# Altium PCB 4.PcbDoc (continued)
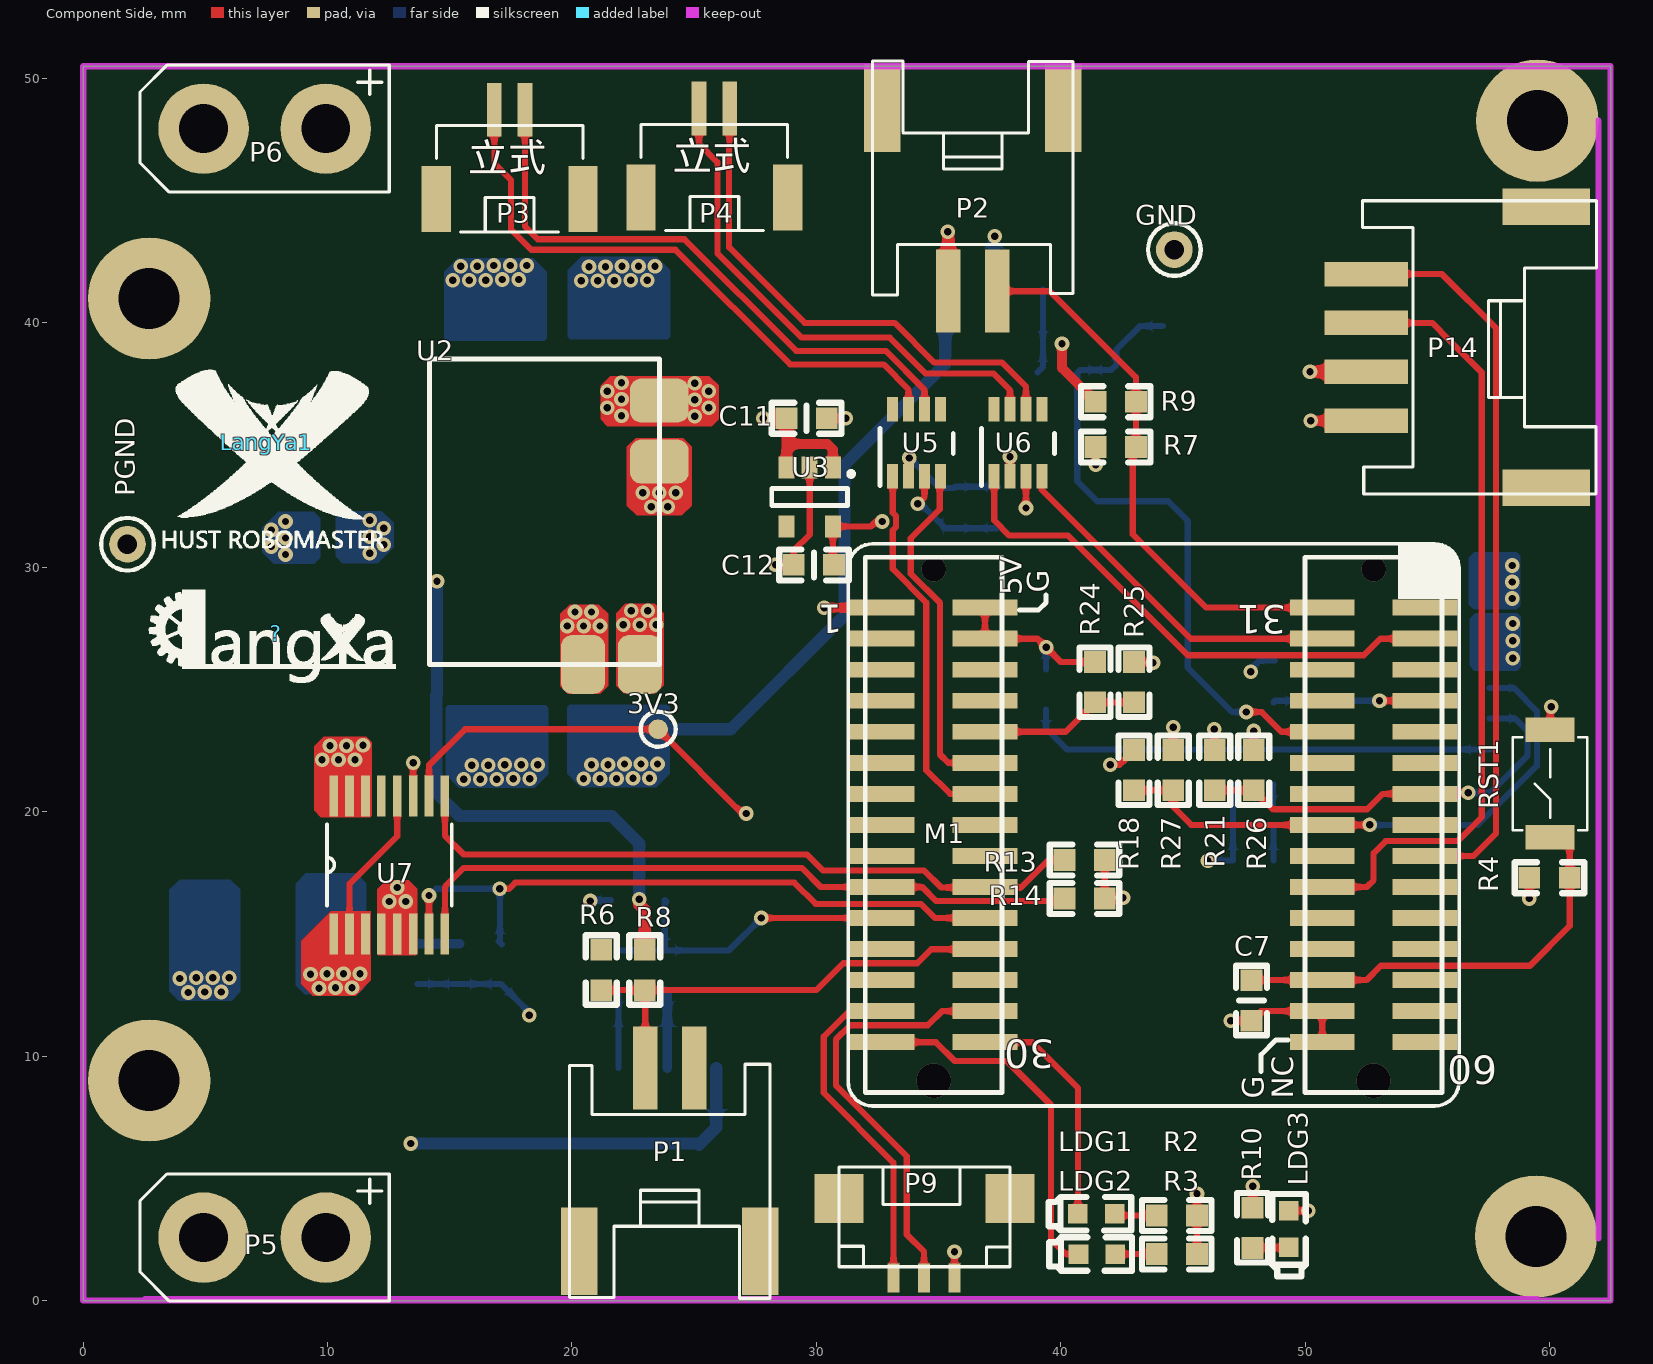
[diagram p0: Component Side view]
## Design rules (kind name [scope] priority, off if disabled: settings)
Clearance [All] p1: gap=0.127 ignorepadtopadclearanceinfootprint=FALSE
MinimumSolderMaskSliver [All] p1: minsoldermaskwidth=0.001
PlaneClearance [All] p1: clearance=0.508
PlaneConnect [All] p1: planeconnectstyle=Direct reliefexpansion=0.508 reliefentries=4 reliefconductorwidth=0.254 reliefairgap=0.254
PolygonConnect [All] p1: thpad.connectstyle=Direct thpad.reliefconductorwidth=0.254 thpad.reliefentries=4 thpad.polygonreliefangle="90 Angle" thpad.airgapwidth=0.254 smdpad.connectstyle=Relief smdpad.reliefconductorwidth=0.254 smdpad.reliefentries=4 smdpad.polygonreliefangle="90 Angle" smdpad.airgapwidth=0.254 via.connectstyle=Direct via.reliefconductorwidth=0.254 via.reliefentries=4 via.polygonreliefangle="90 Angle" via.airgapwidth=0.254
RoomDefinition PowerDetection [InComponentClass('PowerDetection')] p1: confinementstyle=ConfineIn formatcopy=TRUE lockcomponents=FALSE outline -25,-25 70,-25 70,70 -25,70
RoutingVias [All] p1: holewidth=0.3 width=0.6 viastyle="Through Hole" minholewidth=0.2 minwidth=0.5 maxholewidth=7 maxwidth=10
SilkToSilkClearance [All] p1: silktosilkclearance=0.001
SilkToSolderMaskClearance [IsPad] p1: minsilkscreentomaskgap=0.001 clearancetoexposedcopper=TRUE
SolderMaskExpansion [All] p1: expansion=0.102
Width [All] p1: maxlimit=10 minlimit=0.1 preferedwidth=0.254
25 further rules are at their usual default settings.

## Components (designator, comment, footprint, x,y, rotation, side; value= is the part's Value field where it differs from the comment)
3V3 "3V3" TP_SMT 23.525,23.375 r90 top
? "Logo" "logo_langya - duplicate" 7.9,27.3 r0 top
C7 "100nF" 0603C 47.8,12.275 r270 top value=100pF
C11 "1uF" 0603C 29.6,36.1 r180 top value=100nF
C12 "4.7uF" 0603C 29.9,30.1 r0 top value=100nF
C13 "1uF/0603/50V" 0603C 37.425,32.476 r90 bottom value=100pF
C14 "1uF/0603/50V" 0603C 35.625,32.426 r90 bottom value=100pF
C15 "100nF" 0603C 13.675,13.775 r270 bottom value=10uF
C16 "" 0603C 15.4,13.775 r270 bottom value=100nF
C17 "10nF" 0603C 39.4,25 r270 bottom value=100pF
C18 "10nF" 0603C 47.875,18 r0 bottom value=100pF
C19 "10nF" 0603C 47.875,21.1 r0 bottom value=100pF
D1 "SMBJ24A" SMB/DO-214AA 7.413,15.275 r0 bottom
D2 "TVS_SOD" SOD-323- 22.7,16.375 r180 bottom
D3 "TVS_SOD" SOD-323- 43.175,38.075 r0 bottom
GND "PGND" TP_VIA 44.65,43 r0 top
L1 "10mH/0402" 0603L 9.95,31.3 r0 bottom value=10mH
LangYa1 "RM_logo" "RM_logo 300mil*350" 7.5,35.1 r0 top
LDG1 "LED_RED" 0603LED_G 42.2,3.55 r180 top
LDG2 "LED_RED" 0603LED_G 42.225,1.9 r180 top
LDG3 "LED_RED" 0603LED_G 49.338,3.674 r270 top
M1 "STM32_LQFP64核心板" STM32_LQFP64核心板 43.8,19.46 r90 top
P1 "Header 2" "HY2.00MM 2X1 SMT" 24,8.65 r0 top
P2 "Header 2" "HY2.00MM 2X1 SMT" 36.4,42.165 r180 top
P3 "A1.25W-2F" GH1.25_立式 17.45,43.725 r0 top
P4 "A1.25W-2F" GH1.25_立式 25.825,43.775 r0 top
P5 "XT30/60/90" XT30立式 7.425,2.575 r0 top
P6 "XT30/60/90" XT30立式 7.425,47.95 r0 top
P7 "A1.25W-2F" GH1.25_立式 25.85,50.65 r0 bottom
P8 "A1.25W-2F" GH1.25_立式 17.475,50.6 r0 bottom
P9 "裁判系统/GH1.25-3p立式" A1254-03AWB 34.425,0.949 r0 top
P10 "Header 3" "HY2.00MM 3X1 SMT" 23.9,8.65 r180 bottom
P11 "Header 3" "HY2.00MM 3X1 SMT" 37.275,42.225 r0 bottom
P12 "Header 7" A1.25WF-7P 57.55,26.315 r270 bottom
P14 "USART/UART" "HY2.00MM 4X1 SMT" 53.365,39 r90 top
PGND "PGND" TP_VIA 1.812,30.947 r90 top
R1 "10k" 0603R 48.765,25.365 r90 bottom value=1K
R2 "560" 0603R 44.75,3.475 r0 top value=1K
R3 "560" 0603R 44.75,1.9 r0 top value=1K
R4 "10k" 0603R 60,17.3 r180 top value=1K
R6 "1K/5%" 0603R 21.2,13.525 r270 top value=1K
R7 "1K/5%" 0603R 42.25,34.925 r0 top value=1K
R8 "1K/5%" 0603R 22.975,13.525 r90 top value=1K
R9 "1K/5%" 0603R 42.25,36.775 r180 top value=1K
R10 "560" 0603R 47.85,2.975 r270 top value=1K
R13 "10k" 0603R 40.975,18.025 r180 top value=1K
R14 "10k" 0603R 40.975,16.45 r180 top value=1K
R15 "10k" 0603R 17.125,13.75 r90 bottom value=1K
R18 "18k" 0603R 43,21.7 r90 top value=1K
R19 "62k" 0603R 21.9,13.5 r270 bottom value=1K
R20 "62k" 0603R 39.874,37.975 r180 bottom value=1K
R21 "18k" 0603R 46.3,21.7 r270 top value=1K
R22 "10k" 0603R 23.8,13.5 r90 bottom value=1K
R23 "10k" 0603R 44.175,40.7 r270 bottom value=1K
R24 "18k" 0603R 41.4,25.3 r270 top value=1K
R25 "1K/5%" 0603R 43,25.3 r90 top value=1K
R26 "1K/5%" 0603R 47.9,21.7 r90 top value=1K
R27 "1K/5%" 0603R 44.6,21.7 r90 top value=1K
RST1 "KEY" "SW 3mmx4mm" 60.025,21.15 r90 top
U2 "MP2451_PowerModule" MP2451_PowerModule 23.575,38.525 r180 top
U3 "SPX5205M5-3.3V" "SOT-23-5 L" 30.665,34.049 r270 top
U4 "MP2482_Module" MP2482_PowerModule 19.65,31.925 r90 bottom
U5 "TCAN330" SOT-23-8 34.1,35.1 r90 top
U6 "TCAN330" SOT-23-8 38.25,35.1 r90 top
U7 "INA260" TSSOP-16 12.525,17.825 r90 top

## Footprints (in the part's own frame and the unit in brackets; to place one, negate y for a bottom-side part, rotate by r counter-clockwise, add the part's x,y. Pads: shape width x height; smd on the part's side, far side on the other; paste and mask are expansions set on the pad)
0603C [mil] "Chip Resistor, 2-Leads, Body 1.6x0.8mm, IPC Medium Density"
  rect 35x35 smd: 1(-32.5,0) 2(32.5,0)
  silkscreen extent -56,-25 56,25, body extent -31,-16 31,15, height 18
0603L [mil] "Chip Resistor, 2-Leads, Body 1.6x0.8mm, IPC Medium Density"
  rect 35x35 smd: 1(-32.5,0) 2(32.5,0)
  silkscreen extent -56,-25 56,25, body extent -31,-16 32,16, height 31
0603LED_G [mm]
  rect 0.8x0.8 smd: 1(0,0) 2(1.5,0)
  silkscreen extent -0.69,-0.69 2.69,0.69, body extent -0.04,-0.4 1.56,0.4, height 0.6
0603R [mil] "10mil˿ӡ"
  rect 35x35 smd: 1(-32.5,0) 2(32.5,0)
  silkscreen extent -56,-25 56,25, body extent -33,-16 33,16, height 22
A1.25WF-7P [mm]
  rect 2.1x3 smd: 0(-6.703,-2.9) 0(6.703,-2.9)
  round 1 on Bottom Overlay: 0(-5.128,-0.03)
  rect 0.8x1.6 smd: 1(-3.75,0) 2(-2.5,0) 3(-1.25,0) 4(0,0) 5(1.25,0) 6(2.5,0) 7(3.765,0)
  body extent -6.87,-6.17 6.83,0.53, height 2.5
A1254-03AWB [mm] "1.25mm，额定电流1A，额定电压50V，接触电阻20mOhm"
  rect 2x2 smd: 0(-3.5,3.226) 0(3.5,3.226)
  rect 0.5x1.2 smd: 1(-1.27,-0.025) 2(-0.02,-0.025) 3(1.23,-0.025)
  silkscreen extent -3.51,0.43 3.51,4.52, body extent -3.55,-0.34 3.45,4.46, height 4.5
GH1.25_立式 [mm]
  rect 1.2x2.7 smd: 0(-3,1.35) 0(3,1.35)
  rect 0.6x2.2 smd: 1(0.625,5) 2(-0.625,5)
  silkscreen extent -3,0 3,4.35, body extent -2.87,-0.06 2.88,5.04, height 4.13
"HY2.00MM 2X1 SMT" [mm]
  rect 1.5x3.6 smd: 0(-3.7,-6.635) 0(3.7,-6.635)
  round 0.7 on Top Overlay: 0(-2.685,0.391)
  rect 1x3.4 smd: 1(-1,0.865) 2(1,0.865)
  silkscreen extent -4.1,-8.56 4.1,1.02, body extent -3.97,-8.55 4.03,2.14, height 5.1
"HY2.00MM 3X1 SMT" [mm]
  rect 1.5x3.6 smd: 0(-4.75,-6.5) 0(4.75,-6.5)
  round 0.7 on Bottom Overlay: 0(-3.26,0.391)
  rect 1x3.4 smd: 1(-2,0.865) 2(0,0.865) 3(2,0.865)
  silkscreen extent -5,-8.56 5,1.02, body extent -5.02,-8.53 4.98,2.17, height 5.1
"HY2.00MM 4X1 SMT" [mm]
  rect 1.5x3.6 smd: 0(-5.75,-6.5) 0(5.75,-6.5)
  round 0.7 on Top Overlay: 0(-4.41,0.391)
  rect 1x3.4 smd: 1(-3,0.865) 2(-1,0.865) 3(1,0.865) 4(3,0.865)
  silkscreen extent -6,-8.56 6,1.02, body extent -6,-8.5 6,2.19, height 5.1
"logo_langya - duplicate" [mm]
  silkscreen extent -5.22,-2 4.88,1.78
MP2451_PowerModule [mm]
  rrect50% 1.8x2.4 smd: 1(3.125,12.5) 3(0.8,12.5)
  rrect50% 2.4x1.8 smd: 2(0,1.7) 3(0,4.2)
  silkscreen extent 0,0 9.4,12.5, body extent 0,0 9.4,12.5, height 2.55
MP2482_PowerModule [mm]
  rect 2x4 smd: 1(-8.55,2.236) 2(8.348,-2.768) 3(-8.55,-2.742) 3(8.399,2.262)
  silkscreen extent -9,-8 9,8, body extent -9,-8 9,8, height 3.15
"RM_logo 300mil*350" [mm] "300mil*350mil"
  silkscreen extent -4.24,-4.3 4.8,2.99
SMB/DO-214AA [mm]
  rect 2x3 smd: 1(-2.413,0) 2(2.413,0)
  silkscreen extent -3.5,-2 3.7,2, body extent -2.68,-2.13 2.91,1.81, height 2.44
SOD-323- [mm] "开关二极管2.60mmx1.20mm"
  rect 0.8x0.8 smd: 1(1.1,0) 2(-1.1,0)
  silkscreen extent -0.75,-0.63 0.75,0.62, body extent -1.3,-0.6 1.3,0.75, height 1.1
"SOT-23-5 L" [mm]
  rect 0.9x0.65 smd: 1(-0.026,0.01) 2(-0.026,-0.94) 3(-0.026,-1.89) 4(2.374,-1.89) 5(2.374,0.01)
  silkscreen extent 0.13,-2.49 1.52,0.86, body extent -0.2,-2.4 2.6,0.5, height 1.09
SOT-23-8 [mm]
  rect 1x0.45 smd paste+0 mask+0.051: 1(-1.375,0.975) 2(-1.375,0.325) 3(-1.375,-0.325) 4(-1.375,-0.975) 5(1.375,-0.975) 6(1.375,-0.325) 7(1.375,0.325) 8(1.375,0.975)
  silkscreen extent -1.75,-1.5 0.58,1.5, body extent -1.4,-1.47 1.4,1.47, height 1.2
STM32_LQFP64核心板 [mm]
  rect 0.65x2.65 smd: 1(8.89,11.1) 2(8.89,6.9) 3(7.62,11.1) 4(7.62,6.9) 5(6.35,11.1) 6(6.35,6.9) 7(5.08,11.1) 8(5.08,6.9) 9(3.81,11.1) 10(3.81,6.9) 11(2.54,11.1) 12(2.54,6.9) 13(1.27,11.1) 14(1.27,6.9) 15(0,11.1) 16(0,6.9) 17(-1.27,11.1) 18(-1.27,6.9) 19(-2.54,11.1) 20(-2.54,6.9) 21(-3.81,11.1) 22(-3.81,6.9) 23(-5.08,11.1) 24(-5.08,6.9) 25(-6.35,11.1) 26(-6.35,6.9) 27(-7.62,11.1) 28(-7.62,6.9) 29(-8.89,11.1) 30(-8.89,6.9) 31(8.89,-6.9) 32(8.89,-11.1) 33(7.62,-6.9) 34(7.62,-11.1) 35(6.35,-6.9) 36(6.35,-11.1) 37(5.08,-6.9) 38(5.08,-11.1) 39(3.81,-6.9) 40(3.81,-11.1) 41(2.54,-6.9) 42(2.54,-11.1) 43(1.27,-6.9) 44(1.27,-11.1) 45(0,-6.9) 46(0,-11.1) 47(-1.27,-6.9) 48(-1.27,-11.1) 49(-2.54,-6.9) 50(-2.54,-11.1) 51(-3.81,-6.9) 52(-3.81,-11.1) 53(-5.08,-6.9) 54(-5.08,-11.1) 55(-6.35,-6.9) 56(-6.35,-11.1) 57(-7.62,-6.9) 58(-7.62,-11.1) 59(-8.89,-6.9) 60(-8.89,-11.1)
  silkscreen extent -11.5,-12.5 11.5,12.5, body extent -11.5,-12.5 11.5,12.5, height 10.9
"SW 3mmx4mm" [mm] "小龟按键"
  rect 1x2 smd: 1(-2.2,0) 2(2.2,0)
  silkscreen extent -1.91,-1.52 1.91,1.52, body extent -2.3,-1.5 2.3,1.5, height 2.1
TP_SMT [mm]
  round 0.8 smd: 1(0,0)
  silkscreen extent -0.72,-0.72 0.72,0.72
TP_VIA [mm]
  round 1.5 hole 0.8: 1(0,0)
  silkscreen extent -1.08,-1.07 1.08,1.07
TSSOP-16 [mil]
  rect 66x14 smd: 1(-111,89.57) 2(-111,63.98) 3(-111,38.39) 4(-111,12.79) 5(-111,-12.8) 6(-111,-38.39) 7(-111,-63.98) 8(-111,-89.57) 9(111,-89.57) 10(111,-63.98) 11(111,-38.39) 12(111,-12.8) 13(111,12.79) 14(111,38.39) 15(111,63.98) 16(111,89.57)
  silkscreen extent -66,-100 66,101, body extent -125,-98 127,98, height 44
XT30立式 [mm]
  round 3.7 hole 2: 1(2.5,0) 2(-2.5,0)
  silkscreen extent -5.1,-2.6 5.1,2.6, body extent -4.95,-2.49 5.05,2.51, height 10

## Part data
3V3 GND PGND: library part TP
C7 C13 C14 C15 C16 C17 C18 C19: library part Cap, "Capacitor", LatestRevisionDate=17-Jul-2002, LatestRevisionNote="Re-released for DXP Platform.", PackageDescription="Radial Cap, Thru-Hole; 2 Leads; 0.3 in Pin Spacing", PackageReference=RAD-0.3, Published=8-Jun-2000, Publisher="Altium Limited"
C11 C12: library part Cap
D1: library part "D Zener", "Zener Diode", LatestRevisionDate=17-Jul-2002, LatestRevisionNote="Re-released for DXP Platform.", PackageDescription="Diode, Thru-Hole; 2 Leads; 0.7 in Pin Spacing", PackageReference=DIODE-0.7, Published=8-Jun-2000, Publisher="Altium Limited"
L1: library part Inductor, "Inductor", Code_IEC=1005, Code_JEITA=0402, LatestRevisionDate=29-May-2009, LatestRevisionNote="IPC-7351 Footprint Added.", PackageDescription="Chip Inductor", PackageReference=0402-A, Published=8-Jun-2000, Publisher="Altium Limited"
LDG1 LDG2 LDG3: library part LED, "Typical RED, GREEN, YELLOW, AMBER GaAs LED", LatestRevisionDate=17-Jul-2002, LatestRevisionNote="Re-released for DXP Platform.", PackageDescription="SM LED; 2 Flat Leads", PackageReference=3.2X1.6X1.1, PackageVersion=Feb-2002, Published=8-Jun-2000, Publisher="Altium Limited"
M1: "STM32_LQFP64核心板 / 兼容F105Rx、F405RGT6、F446Rx / 尺寸23mm x 25mm"
P1 P2: "Header, 2-Pin", LatestRevisionDate=17-Jul-2002, LatestRevisionNote="Re-released for DXP Platform.", Publisher="Altium Limited"
P3 P4 P7 P8: library part GH1.25-2P
P9: library part UART_3pin
P10 P11: "Header, 3-Pin", LatestRevisionDate=17-Jul-2002, LatestRevisionNote="Re-released for DXP Platform.", Publisher="Altium Limited"
P12: "Header, 7-Pin", LatestRevisionDate=17-Jul-2002, LatestRevisionNote="Re-released for DXP Platform.", Publisher="Altium Limited"
P14: library part UART_4pin, "带电源串口"
R1 R2 R3 R4 R6 R7 R8 R9 R10 R13 R14 R15 R18 R19 R20 R21 R22 R23 R24 R25 R26 R27: library part Res1, "Resistor", LatestRevisionDate=17-Jul-2002, LatestRevisionNote="Re-released for DXP Platform.", PackageDescription="Axial Device, Thru-Hole; 2 Leads; 0.3 in Pin Spacing", PackageReference=AXIAL-0.3, Published=8-Jun-2000, Publisher="Altium Limited"
RST1: library part PushButton_2p, "Button", LatestRevisionDate=17-Jul-2002, LatestRevisionNote="Re-released for DXP Platform.", PackageDescription="Switch; 2 Leads", PackageReference=SPST-2, Published=24-Mar-1999, Publisher="Altium Limited"
U5 U6: library part SN65HVD232D, "3.3 V CAN Transceiver, 17 mA, -40 to 85 degC, 8-pin SOIC (D), Green (RoHS & no Sb/Br)", Drivers Per Package=1, Manufacturer="Texas Instruments", Rating=Catalog, Supplier Part Number 1=296-12282-5-ND, Supply Voltage(s)(V)=3.3, Code_JEDEC=MS-012AA, ComponentLink1Description=Datasheet, ComponentLink1URL=http://www.ti.com/general/docs/lit/getliterature.tsp?genericPartNumber=SN65HVD232&fileType=pdf, DatasheetVersion=SLOS346K, Eco-Plan="Green (RoHS & no Sb/Br)", ICC(Max)(mA)=17, Isolated=No, Mounting Technology="Surface Mount", PackageDescription="8-Pin Plastic Small Outline Integrated Circuit, 4.9 x 3.9 mm, Pitch 1.27 mm Pitch", PackageReference=D8, PackageVersion="revM, Jun-2011", PartNumber=SN65HVD232D, Receivers Per Package=1, SubFamily=CAN, Supplier 1=Digi-Key, Supplier 2=Farnell, Supplier 3=Newark, Supplier 4=Mouser, Supplier Part Number 2=1103107, Supplier Part Number 3=35K4890, Supplier Part Number 4=595-SN65HVD232D, Transient Pulse Protection(V)="-25 to 25"
U7: "Precision Digital Current and Power Monitor With Low-Drift, Precision Integrated Shunt"

## Free pads (board coordinates)
  round 5 hole 2.5: 17(2.7,9) 17(2.7,41) 17(59.45,2.623) 17(59.5,48.275)

## Via types
v1: diameter 0.6, hole 0.3, Component Side to Solder Side, 149 vias
v2: diameter 1.4, hole 1.4, Component Side to Solder Side, tented both sides, 2 vias
v3: diameter 1, hole 1, Component Side to Solder Side, tented both sides, 2 vias

## Nets (pads, with @x,y where several pads share a name; then routed paths per layer and width w, separated by ;. In a path a pad name is that pad's centre, name@x,y a point inside that pad or via, vN(x,y) a via of type N, cw(c..) or ccw(c..) an arc to the next point about the centre after c; other vN are vias at no path point)
3V3: 3V3.1 C12.2 C13.1 C14.1 C15.2 C16.2 LDG3.1 P14.1 R2.2 R3.2 R4.2 R13.1 R14.1 R15.1 R25.2 R26.2 R27.2 U3.5 U5.3 U6.3 U7.10 | length 42.7
  Component Side w0.254: U7.10 14.15,21.9 15.625,23.375 3V3.1 26.975,19.925 v1(27.125,19.925) ; C12.2 30.675,30.15 U3.5 32.225,31.675 32.425,31.875 v1(32.7,31.875) ; v1@34.15,32.55 v1(34.15,32.6) 34.425,32.875 U5.3 ; v1(38.575,32.425) U6.3 ; R13.1 R14.1 42.525,16.45 v1(42.55,16.475) ; R25.2 43.75,26.125 v1(43.775,26.1) ; R27.2 v1(44.6,23.45) ; R3.2 R2.2 v1(45.576,4.374) ; R26.2 v1(47.9,23.3) ; LDG3.1 50.124,3.674 v1(50.125,3.675) ; v1(59.175,16.45) R4.2
  Component Side w0.4: v1(50.225,36) P14.1
  Solder Side w0.254: C15.2 C16.2@15.4,12.949 ; C16.2 17.1,12.95 R15.1 18.25,11.799 v1(18.25,11.675) ; v1(34.15,32.6) 34.275,32.6 35.275,31.6 C14.1 37.375,31.6 C13.1
5V: C11.2 M1.1 U2.2 U3.1 U3.3 | length 8.1
  Component Side w0.4: v1(27.825,36.1) C11.2 28.774,35.05 ; U3.3 28.774,35.05 ; v1(30.325,28.35) M1.1 ; U3.1 30.675,34.825 30.45,35.05 28.774,35.05
  other v1: 25.025,36.175 22.025,36.2 21.45,36.525 25.6,36.525 25.025,36.85 22.025,36.875 21.45,37.2 25.6,37.2 25.025,37.525 22.025,37.55
5VO: P12.1 P12.2 R8.2 R9.2 U4.2 | length 26.5
  Component Side w0.4: v1(40.05,39.15) 40.05,38.149 R9.2
  Component Side w0.5: v1(22.75,16.425) 22.75,16.2 22.975,15.975 R8.2
  Solder Side w0.5: v1(14.475,29.425) 14.475,24.779 14.448,24.752 14.448,20.777 15.4,19.825 21.625,19.825 22.75,18.7 v1(22.75,16.425) ; P12.2 P12.1
  other v1: 58.475,28.725 58.475,29.4 58.475,30.075 15.125,41.75 15.8,41.75 16.475,41.75 17.15,41.775 17.825,41.775 15.45,42.325 16.125,42.325 16.8,42.35 17.475,42.35 18.15,42.35
ALERT1: M1.22 R15.2 U7.7 | length 27.5
  Component Side w0.254: U7.7 v1(14.15,16.575) ; v1(17.05,16.85) 17.425,16.85 17.675,17.1 29.1,17.1 29.971,16.229 34.279,16.229 34.858,15.65 M1.22
  Solder Side w0.254: v1(14.15,16.575) 14.15,16.55 14.45,16.85 v1(17.05,16.85) 17.05,14.75 17,14.7 R15.2
CAN1H: P3.2 P8.1 U5.7 | length 25
  Component Side w0.254: P3.2 16.825,46.525 17.5,45.85 17.5,43.825 18.331,42.994 24.231,42.994 28.925,38.3 32.75,38.3 33.775,37.275 U5.7
CAN1L: P3.1 P8.2 U5.6 | length 24.7
  Component Side w0.254: P3.1 18.075,43.95 18.6,43.425 24.6,43.425 29.171,38.854 32.846,38.854 34.425,37.275 U5.6
CAN1RX: M1.12 U5.4 | length 14.4
  Component Side w0.254: U5.4 35.046,33.696 35.046,32.38 33.859,31.193 33.859,29.741 35.059,28.541 35.059,22.341 35.4,22 M1.12
CAN1TX: M1.14 U5.1 | length 15.5
  Component Side w0.254: U5.1 33.125,32.233 33.254,32.104 33.254,31.646 33.125,31.517 33.125,29.934 34.5,28.559 34.5,21.7 35.47,20.73 M1.14
CAN2H: P4.2 P7.1 U6.7 | length 21.3
  Component Side w0.254: P4.2 25.2,47.325 25.95,46.575 25.95,44.05 25.95,42.85 29.4,39.4 33,39.4 34.475,37.925 37.25,37.925 37.925,37.25 U6.7
CAN2L: P4.1 P7.2 U6.6 | length 20.9
  Component Side w0.254: 26.426,47.177 26.426,43.099 29.525,40 31.5,40 33.2,40 34.825,38.375 37.6,38.375 38.575,37.4 U6.6 ; 26.45,47.375 P4.1
CAN2RX: M1.33 U6.4 | length 14.5
  Component Side w0.254: U6.4 39.225,33.175 45.32,27.08 M1.33
CAN2TX: M1.34 U6.1 | length 22
  Component Side w0.254: U6.1 37.275,31.925 37.9,31.3 40.3,31.3 45.2,26.4 52.4,26.4 53.08,27.08 M1.34
GND: C7.2 C11.1 C12.1 C13.2 C14.2 C15.1 C16.1 C17.1 C18.1 C19.1 D2.1 D3.1 GND.1 L1.2 M1.2 M1.4 M1.57 M1.59 P1.2 P2.2 P9.3 P10.2 P11.2 P12.3 P12.4 P14.2 R1.2 R6.1 R7.1 R10.1 R18.2 R21.1 R22.1 R23.1 R24.1 RST1.2 U2.3 U3.2 U4.3 U5.2 U6.2 U7.4 U7.5 U7.6 U7.11 | length 52.7
  Component Side w0.254: U7.4 U7.5 U7.6 ; U7.11 v1(13.5,22) ; v1(28.325,30.1) C12.1 29.075,30.691 29.725,31.342 U3.2 ; C11.1 v1(31.2,36.1) ; U5.2@33.8,33.55 33.7,33.65 U5.2 33.775,34.45 v1(33.8,34.475) ; v1(35.65,2) 35.655,1.995 P9.3 ; M1.2 M1.4 39.045,27.08 v1(39.4,26.725) 40,26.125 R24.1 ; U6.2 v1(37.925,34.525) ; R7.1 41.424,34.201 v1(41.425,34.2) ; v1(42.025,21.925) 42.399,21.925 R18.2 ; v1(46.275,23.375) 46.3,23.35 R21.1 ; v1(46.949,11.449) C7.2 48.191,11.84 M1.57 M1.59 ; R10.1 v1(47.85,4.675) ; RST1.2 60.025,24.25 v1(60.075,24.3)
  Component Side w0.5: v1(35.375,43.725) 35.4,43.7 P2.2 ; v1(50.2,38) P14.2
  Solder Side w0.254: v1(12.525,16.325) 12.525,15.751 C15.1 ; v1(20.75,16.35) 20.775,16.375 D2.1 ; v1(33.8,34.475) 35.024,33.251 C14.2 35.675,33.301 C13.2 ; C17.1 v1(39.4,26.725) ; v1(46.025,18) C18.1 C19.1 ; v1(47.775,25.725) 47.775,25.825 48.141,26.191 R1.2
  Solder Side w0.4: C15.1 C16.1 ; R22.1 23.9,12.574 P10.2
  Solder Side w0.5: P11.2 37.275,43.525 v1(37.3,43.55)
  other v1: 13.2,16.325 12.85,16.9 15.575,21.325 16.25,21.325 16.925,21.325 17.6,21.35 18.275,21.35 15.9,21.9 16.575,21.9 17.25,21.925 17.925,21.925 18.6,21.925 58.5,26.275 58.5,27 22.1,27.65 22.775,27.65 23.45,27.65 58.5,27.7 22.425,28.225 23.1,28.225 11.725,30.575 12.3,30.925 11.725,31.25 12.3,31.6 11.725,31.925 23.25,32.475 23.925,32.475 22.9,33.05 23.575,33.05 24.25,33.05 20.375,41.725 21.05,41.725 21.725,41.725 22.4,41.75 23.075,41.75 20.7,42.3 21.375,42.3 22.05,42.325 22.725,42.325 23.4,42.325
IN: D1.2 P5.1 P10.1 P11.1 U2.1 U4.1 U7.1 U7.2 U7.3 U7.12 | length 48.1
  Component Side w0.254: U7.2 10.9,17.05 12.85,19 U7.12
  Solder Side w0.5: v1(13.4,6.425) 25.15,6.425 25.2,6.375 25.9,7.075 P10.1 ; U4.1 26.5,23.375 31.15,28.025 31.15,34.2 35.275,38.325 P11.1
  Solder Side w2: P5.1@9.826,2.674 P5.1
  other v1: 9.65,12.775 10.325,12.8 11,12.8 9.3,13.35 9.975,13.375 10.65,13.375 11.325,13.375 20.475,21.35 21.15,21.35 21.825,21.35 22.5,21.375 23.175,21.375 20.8,21.925 21.475,21.925 22.15,21.95 22.825,21.95 23.5,21.95 19.8,27.6 20.475,27.6 21.15,27.6 20.125,28.175 20.8,28.175
LED1: LDG2.2 M1.29 | length 14.8
  Component Side w0.254: M1.29 34.891,10.57 35.661,9.8 37.8,9.8 39.6,8 39.6,2.5 40.2,1.9 LDG2.2
LED2: LDG1.2 M1.30 | length 9.7
  Component Side w0.254: M1.30 38.83,10.57 40.7,8.7 LDG1.2
NetC7_1: C7.1 M1.55 R4.1 RST1.1 | length 18.4
  Component Side w0.254: C7.1 47.81,13.11 M1.55 52.51,13.11 53.1,13.7 59.2,13.7 60.825,15.325 60.825,18.95 RST1.1
NetLDG1_1: LDG1.1 R2.1 | length 3.5
  Component Side w0.254: LDG1.1@42.275,3.475 R2.1 LDG1.1@42.275,3.475 ; LDG1.1@42.275,3.475 LDG1.1 LDG1.1@42.275,3.475
NetLDG2_1: LDG2.1 R3.1 | length 3.4
  Component Side w0.254: LDG2.1 R3.1 LDG2.1
NetLDG3_2: LDG3.2 R10.2 | length 2.7
  Component Side w0.254: R10.2 47.874,2.174 LDG3.2 ; R10.2@48.175,2.15 LDG3.2@49.338,2.15
NetM1_38: M1.38 R1.1 | length 6.2
  Component Side w0.254: v1(53.04,24.54) M1.38
  Solder Side w0.254: R1.1@48.7,24.475 R1.1 v1(53.04,24.54)
NetP10_3: P10.3 R19.2 | length 3.2
  Solder Side w0.254: P10.3 R19.2
NetP11_3: P11.3 R20.2 | length 3.5
  Solder Side w0.254: R20.2 39.275,38.201 P11.3
OUT: P6.1 U7.14 U7.15 U7.16
  other v1: 9.775,22.125 10.45,22.125 11.125,22.125 10.1,22.7 10.775,22.7 11.45,22.725
PA2/USART2_TX: M1.49 P14.3 | length 32.1
  Component Side w0.254: M1.49 52.52,16.92 52.8,17.2 52.8,18.3 53.3,18.8 56.231,18.8 56.312,18.881 56.33,18.881 57.229,19.78 57.229,37.971 55.9,39.3 55.2,40 P14.3
PA3/USART2_RX: M1.48 P14.4 | length 30.2
  Component Side w0.254: P14.4 55.6,42 57.811,39.789 57.811,19.111 56.89,18.19 M1.48
PA6/TIM3_CH1: C18.2 M1.45 P12.5 R18.1 R27.1 | length 24.3
  Component Side w0.254: R18.1 R27.1 44.6,20.2 45.34,19.46 M1.45 v1(52.64,19.46)
  Solder Side w0.254: C18.2 48.7,19.3 ; v1(52.64,19.46) 57.06,19.46 59.481,21.881 59.481,24.119 58.535,25.065 P12.5
PA7/TIM3_CH2: C19.2 M1.44 P12.6 R21.2 R26.1 | length 17.8
  Component Side w0.254: R21.2 R26.1 48.675,20.1 52.54,20.1 53.17,20.73 M1.44 54.945,20.775 v1(56.675,20.775)
  Solder Side w0.254: 48.675,20.1 48.675,21.075 C19.2 ; v1(56.675,20.775) 57.485,20.775 57.53,20.73 59.1,22.3 59.1,23.3 58.585,23.815 P12.6
PA8/TIM1_CH1: M1.6
PA9/TIM1_CH2: M1.8
PA10: C17.2 M1.10 P12.7 R24.2 R25.1 | length 25.8
  Component Side w0.254: M1.10 40.196,23.27 ; 40.263,23.337 R24.2 R25.1
  Solder Side w0.254: C17.2 39.4,23.4 40.25,22.55 P12.7
PA13/SWDIO: M1.16
PA14/SWCLK: M1.18
PB1: M1.37
PB3: M1.24 P1.1 R6.2 R8.1 | length 19.6
  Component Side w0.254: R6.2 R8.1 ; P1.1 23,12.675 R8.1 ; M1.24 36.891,14.371 34.7,14.371 34.129,13.8 31.1,13.8 30,12.7 R8.1
PB6/USART1_TX: M1.27 P9.1 | length 13.9
  Component Side w0.254: M1.27 31.34,11.84 30.3,10.8 30.3,8.5 33.155,5.645 P9.1
PB7/USART1_RX: M1.28 P9.2 | length 17.8
  Component Side w0.254: P9.2 34.405,1.995 33.7,2.7 33.7,5.9 30.8,8.8 30.8,10.679 31.382,11.261 34.561,11.261 35.14,11.84 M1.28
PB14: M1.31 P2.1 R7.2 R9.1 | length 22.6
  Component Side w0.254: P2.1 39.55,41.3 43.075,37.775 R9.1 R7.2 42.946,34.796 42.946,31.354 45.95,28.35 M1.31
PB15: M1.32
PC4: M1.42
PC5: D3.2 M1.39 R20.1 R23.2 | length 26.9
  Component Side w0.254: v1(47.595,24.078) 48.222,24.078 49.03,23.27 M1.39
  Solder Side w0.254: R23.2 43.249,39.874 42.275,38.9 42.275,38.275 D3.2 40.8,38.075 40.675,37.95 40.675,33.525 41.5,32.7 44.4,32.7 45.2,31.9 45.2,25.9 47.022,24.078 v1(47.595,24.078)
PC6/TIM3_CH1: M1.5
PC7/TIM3_CH2: M1.7
PC8/TIM3_CH3: M1.9
PC11: D2.2 M1.21 R19.1 R22.2 | length 13.5
  Component Side w0.254: v1(27.75,15.65) M1.21
  Solder Side w0.254: R19.1 R22.2@23.799,14.326 ; D2.2@23.854,16.321 D2.2 R22.2 ; v1(27.75,15.65) 26.426,14.326 R22.2
PGND: D1.1 L1.1 P5.2 P6.2 PGND.1
  other v1: 4.3,12.6 4.975,12.625 5.65,12.625 3.95,13.175 4.625,13.2 5.3,13.2 5.975,13.2 8.275,30.525 7.7,30.85 8.275,31.2 7.7,31.525 8.275,31.875
SCL: M1.20 R13.2 U7.9 | length 28.3
  Component Side w0.254: U7.9 14.8,19.025 15.575,18.25 28.15,18.25 28.154,18.254 29.612,18.254 30.266,17.6 34.4,17.6 35.1,16.9 38.375,16.9 39.5,18.025 R13.2
SDA: M1.19 R14.2 U7.8 | length 28.2
  Component Side w0.254: U7.8 14.8,16.925 15.575,17.7 29.4,17.7 30.18,16.92 M1.19 34.33,16.92 34.909,16.341 40.041,16.341 R14.2
pads on no net: M1.3 M1.11 M1.13 M1.15 M1.17 M1.23 M1.25 M1.26 M1.35 M1.36 M1.40 M1.41 M1.43 M1.46 M1.47 M1.50 M1.51 M1.52 M1.53 M1.54 M1.56 M1.58 M1.60 P1.0 P2.0 P3.0 P4.0 P7.0 P8.0 P9.0 P10.0 P11.0 P12.0 P14.0 U3.4 U5.5 U5.8 U6.5 U6.8 U7.13
copper on no net:
  other v2: 34.8,8.995 52.8,8.995
  other v3: 34.8,29.925 52.8,29.925

## Polygon pours and split planes (outlines as drawn)
GND on Ground Plane (split plane): 61.99,0.51 10.079,0.51 10.079,49.99 61.99,49.99
PGND on Ground Plane (split plane): 9.821,0.51 0.51,0.51 0.51,49.99 9.821,49.99
5VO on Power Plane (split plane): 61.99,27.179 57.804,27.179 56.404,28.579 56.404,35.775 56.395,35.825 56.367,35.867 53.617,38.617 53.575,38.645 53.525,38.654 40.325,38.654 40.275,38.645 40.233,38.617 39.121,37.504 32.004,37.504 32.004,37.7 31.995,37.75 31.967,37.792 31.192,38.567 31.15,38.595 31.1,38.604 21.025,38.604 20.975,38.595 20.933,38.567 20.23,37.863 20.202,37.821 20.192,37.771 20.192,35.254 20.192,31.954 20.202,31.904 20.23,31.862 20.283,31.808 24.312,27.779 13.334,27.779 13.334,49.99 61.99,49.99
5V on Power Plane (split plane): 31.746,37.646 31.746,31.825 31.755,31.775 31.783,31.733 33.117,30.4 34.346,29.171 34.346,26.204 32.334,24.192 28.266,24.192 20.451,32.007 20.451,35.254 20.451,37.718 21.079,38.346 31.046,38.346
3V3 on Power Plane (split plane): 56.146,35.721 56.146,28.525 56.155,28.475 56.183,28.433 57.658,26.958 57.7,26.93 57.75,26.921 61.99,26.921 61.99,0.51 14.304,0.51 14.304,8.396 21.067,15.158 28.304,22.396 28.332,22.438 28.342,22.488 28.342,23.013 28.342,23.933 32.388,23.933 32.437,23.943 32.479,23.971 34.567,26.058 34.595,26.1 34.604,26.15 34.604,29.225 34.595,29.275 34.567,29.317 33.3,30.583 32.004,31.879 32.004,37.246 39.175,37.246 39.225,37.255 39.267,37.283 40.379,38.396 53.471,38.396
OUT on Power Plane (split plane): 13.075,27.65 13.075,22.121 13.075,19.483 10.921,17.329 4.625,17.329 4.575,17.32 4.533,17.292 2.646,15.404 0.51,15.404 0.51,49.99 13.075,49.99
IN on Power Plane (split plane): 28.058,24.033 28.083,24.009 28.083,23.013 28.083,22.541 20.883,15.342 14.083,8.542 14.055,8.5 14.046,8.45 14.046,0.51 0.51,0.51 0.51,15.146 2.7,15.146 2.75,15.155 2.792,15.183 4.679,17.071 10.975,17.071 11.025,17.08 11.067,17.108 13.296,19.338 13.324,19.38 13.334,19.429 13.334,27.521 24.562,27.521 24.57,27.522

## Keep-outs
Keep-Out Layer:
  lines w0.254: 2.525,0.05 59.5,0.05 ; 62,2.55 62,48.275 ; 0,0 62.5,0 62.5,50.5 0,50.5 0,0

## Other copper
Component Side:
  region net IN: 11.775,15.925 10.125,15.925 8.925,14.725 8.925,12.95 9.4,12.475 11.15,12.475 11.775,13.1
  region net GND: 12.4,17.2 12.025,16.825 12.025,14.175 12.075,14.125 13.6,14.125 13.675,14.2 13.675,16.85 13.325,17.2
  region net OUT: 9.85,23.075 9.45,22.675 9.45,20.05 9.725,19.775 11.75,19.775 11.8,19.825 11.8,22.85 11.575,23.075
  region net IN: 19.9,28.475 19.525,28.1 19.525,25.125 19.825,24.825 21.15,24.825 21.475,25.15 21.475,28.1 21.1,28.475
  region net GND: 22.187,28.5 21.813,28.125 21.813,25.15 22.113,24.85 23.437,24.85 23.763,25.175 23.763,28.125 23.388,28.5
  region net 5V: 25.625,37.825 21.575,37.825 21.175,37.425 21.175,36.05 21.45,35.775 25.725,35.775 26,36.05 26,37.45
  region net GND: 22.6,35.275 22.25,34.925 22.25,32.525 22.65,32.125 24.5,32.125 24.9,32.525 24.9,34.925 24.55,35.275
Solder Side:
  region net 5VO: 58.65,30.625 56.925,30.625 56.7,30.4 56.7,28.475 56.9,28.275 58.65,28.275 58.8,28.425 58.8,30.475
  region net PGND: 9.425,32.275 7.975,32.275 7.325,31.625 7.325,30.625 7.8,30.15 9.45,30.15 9.7,30.4 9.7,32
  region net GND: 10.6,30.175 12.05,30.175 12.7,30.825 12.7,31.825 12.225,32.3 10.575,32.3 10.325,32.05 10.325,30.45
  region net 5VO: 15.325,42.65 14.775,42.1 14.775,39.375 14.875,39.275 18.875,39.275 18.975,39.375 18.975,42.1 18.425,42.65
  region net GND: 20.375,42.7 19.825,42.15 19.825,39.425 19.925,39.325 23.925,39.325 24.025,39.425 24.025,42.15 23.475,42.7
  region net GND: 18.475,20.975 19.025,21.525 19.025,24.25 18.925,24.35 14.925,24.35 14.825,24.25 14.825,21.525 15.375,20.975
  region net IN: 23.45,21 24,21.55 24,24.275 23.9,24.375 19.9,24.375 19.8,24.275 19.8,21.55 20.35,21
  region net PGND: 5.3,17.225 3.95,17.225 3.525,16.8 3.525,12.65 3.9,12.275 6.075,12.275 6.425,12.625 6.425,16.825 6.025,17.225
  region net IN: 10.463,17.475 9.113,17.475 8.687,17.05 8.687,12.9 9.062,12.525 11.238,12.525 11.588,12.875 11.588,17.075 11.187,17.475
  region net GND: 58.675,28.125 56.95,28.125 56.725,27.9 56.725,25.975 56.925,25.775 58.675,25.775 58.825,25.925 58.825,27.975
Ground Plane (plane layer: these items are gaps in the copper):
  lines w0.254: 9.9,-0.225 9.95,-0.175 9.95,50.625
Power Plane (plane layer: these items are gaps in the copper):
  lines w0.254: -0.075,31.85 -0.025,31.9 ; 0.075,15.275 2.7,15.275 4.625,17.2 10.975,17.2 13.204,19.429 13.204,27.65 24.562,27.65 ; 13.204,22.121 13.204,50.629 13.25,50.675 ; 14.175,-0.175 14.175,8.45 20.975,15.25 28.213,22.488 28.213,23.013 28.213,24.063 ; 20.375,31.9 28.15,24.125 ; 28.15,0 28.2,0.05 ; 31.875,37.375 39.175,37.375 40.325,38.525 53.525,38.525 56.275,35.775 56.275,28.525 57.75,27.05 62.425,27.05 ; 28.213,24.063 20.321,31.954 20.321,35.254 20.321,37.771 21.025,38.475 27.025,38.475 31.1,38.475 31.875,37.7 31.875,31.825 33.208,30.492 34.475,29.225 34.475,26.15 32.388,24.063 28.213,24.063

## Text inside footprints (layer, text, board x,y; h text height)
M1: Top Overlay "NC" at 49.8,8.26 h1.5 r90; Top Overlay "G" at 48.6,8.26 h1.5 r90; Top Overlay "G" at 39.8,28.96 h1.5 r90; Top Overlay "5V" at 38.7,28.86 h1.5 r90; Top Overlay "60" at 57.85,10.41 h2 r180; Top Overlay "31" at 49.225,28.835 h2 r180; Top Overlay "30" at 39.725,11.06 h2 r180; Top Overlay "1" at 31.075,28.86 h2 r180
P3: Top Overlay "立式" at 15.75,45.825 h2.03
P4: Top Overlay "立式" at 24.125,45.875 h2.03
P7: Bottom Overlay "卧式" at 24.15,48.55 h2.03 r180
P8: Bottom Overlay "卧式" at 15.775,48.5 h2.03 r180
U4: Bottom Overlay "GND" at 21.65,36.675 h1.1 r270; Bottom Overlay "GND" at 16.65,24.925 h1.1 r270; Bottom Overlay "OUT" at 11.98,37.352 h1.8 r270; Bottom Overlay "IN" at 12.006,23.408 h1.8 r270; Bottom Overlay "IN+" at 21.65,24.925 h1.1 r270; Bottom Overlay "OUT+" at 16.65,36.675 h1.1 r270